# Altium PCB Slave.PcbDoc (part 12 of 12)
Units mm, origin at the board's own origin, x right, y up, seen from the top; angles counter-clockwise.
Board outline 380 x 63 mm, 4 copper layers (Top Copper, Signal Layer 1, Signal Layer 2, Bottom Copper), stack 1.586 mm thick; 265 components, 193 nets, 745 pads, 28205 vias.
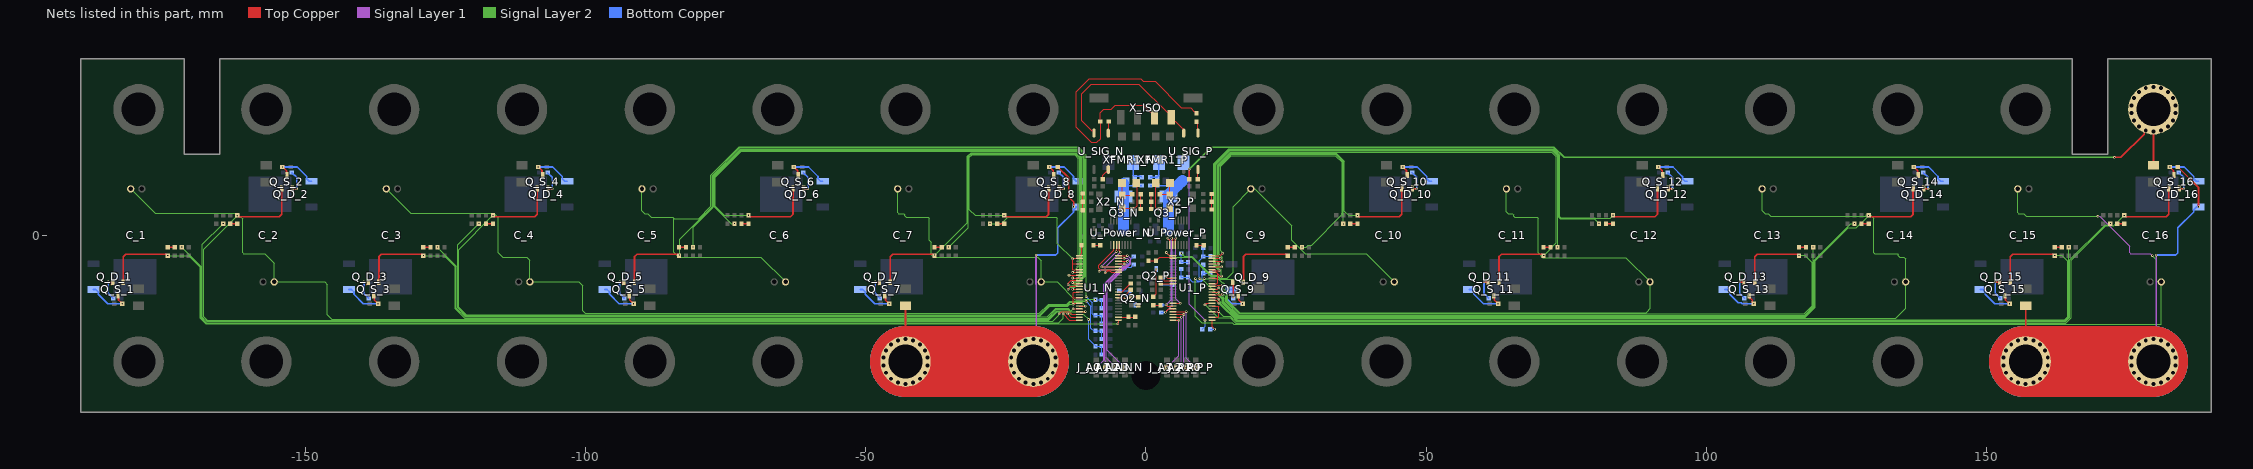
[diagram p14: the nets of this part, all layers, seen from the top]

## Via types
v1: diameter 0.45, hole 0.297, Top Copper to Bottom Copper, tented both sides, 27372 vias
v2: diameter 1, hole 0.7, Top Copper to Bottom Copper, 576 vias
v3: diameter 0.45, hole 0.2, Top Copper to Bottom Copper, 257 vias

## Nets (pads, with @x,y where several pads share a name; then routed paths per layer and width w, separated by ;. In a path a pad name is that pad's centre, name@x,y a point inside that pad or via, vN(x,y) a via of type N, cw(c..) or ccw(c..) an arc to the next point about the centre after c; other vN are vias at no path point) (continued)
NEG8_C1: C_7.+ C_8.- F_V_7.1 Q_D_8.3 R_TUNE_8.1 | length 143.3
  Top Copper w0.305: C_7.+@-42.9,-22.5 F_V_7.1@-42.9,-12.545 ; R_TUNE_8.1@-15.725,12.2 -13.8,10.275 -13.8,6.85 -12.9,5.95 v3(-12.9,5.1)
  Top Copper w12.7: C_7.+@-42.9,-22.5 C_8.-@-20.1,-22.5
  Signal Layer 1 w0.102: C_8.-@-20.1,-22.5 -19.625,-22.025 C_8.-@-20.1,-22.5
  Signal Layer 1 w0.305: v3(-19.6,-3.5) -19.604,-3.504 -19.604,-8.674 -19.6,-8.678 C_8.-@-19.6,-22 ; C_8.-@-19.6,-22 -19.625,-22.025 C_8.-@-19.6,-22
  Signal Layer 1 w12.7: C_7.+@-42.9,-22.5 C_8.-@-20.1,-22.5
  Signal Layer 2 w12.7: C_7.+@-42.9,-22.5 C_8.-@-20.1,-22.5
  Bottom Copper w0.305: v3(-19.6,-3.5) -16.102,-3.5 -15.748,-3.146 -15.748,1.352 -12.918,4.182 -12.918,4.602 -12.471,5.05 Q_D_8.3@-12.05,5.05
  Bottom Copper w12.7: C_7.+@-42.9,-22.5 C_8.-@-20.1,-22.5
  other v2: -42.9,-26.5 -20.1,-26.5 -44.268,-26.259 -41.532,-26.259 -21.468,-26.259 -18.732,-26.259 -45.471,-25.564 -40.329,-25.564 -22.671,-25.564 -17.529,-25.564 -46.364,-24.5 -39.436,-24.5 -23.564,-24.5 -16.636,-24.5 -46.839,-23.195 -38.961,-23.195 -24.039,-23.195 -16.161,-23.195 -46.839,-21.805 -38.961,-21.805 -24.039,-21.805 -16.161,-21.805 -46.364,-20.5 -39.436,-20.5 -23.564,-20.5 -16.636,-20.5 -45.471,-19.436 -40.329,-19.436 -22.671,-19.436 -17.529,-19.436 -44.268,-18.741 -41.532,-18.741 -21.468,-18.741 -18.732,-18.741 -42.9,-18.5 -20.1,-18.5
NEG8_C2: C_15.+ C_16.- F_V_15.1 Q_D_16.3 R_TUNE_16.1 | length 146
  Top Copper w0.102: C_16.-@178.2,-21 C_16.-@179.7,-22.5
  Top Copper w0.305: C_15.+@156.9,-22.5 F_V_15.1@156.9,-12.545 F_V_15.1@156.9,-12.35 ; R_TUNE_16.1@184.075,12.2 187.75,8.525 v3(187.75,5.1)
  Top Copper w12.7: C_15.+@156.749,-22.5 C_16.-@179.549,-22.5
  Signal Layer 1 w0.102: C_16.-@179.549,-22.5 C_16.-@180.024,-22.025 ; C_16.-@179.7,-22.5 C_16.-@180.175,-22.025
  Signal Layer 1 w0.305: C_16.-@180.024,-22.025 C_16.-@180.049,-22 ; C_16.-@180.175,-22.025 180.2,-22 180.2,-8.678 180.196,-8.674 180.196,-3.504 v3(180.2,-3.5)
  Signal Layer 1 w12.7: C_15.+@156.749,-22.5 C_16.-@179.549,-22.5
  Signal Layer 2 w12.7: C_15.+@156.749,-22.5 C_16.-@179.549,-22.5
  Bottom Copper w0.305: v3(180.2,-3.5) 183.698,-3.5 184.052,-3.146 184.052,1.352 186.882,4.182 186.882,4.602 187.329,5.05 Q_D_16.3@187.75,5.05
  Bottom Copper w12.7: C_15.+@156.749,-22.5 C_16.-@179.549,-22.5
  other v2: 156.9,-26.5 179.7,-26.5 155.532,-26.259 158.268,-26.259 178.332,-26.259 181.068,-26.259 154.329,-25.564 159.471,-25.564 177.129,-25.564 182.271,-25.564 153.436,-24.5 160.364,-24.5 176.236,-24.5 183.164,-24.5 152.961,-23.195 160.839,-23.195 175.761,-23.195 183.639,-23.195 152.961,-21.805 160.839,-21.805 175.761,-21.805 183.639,-21.805 153.436,-20.5 160.364,-20.5 176.236,-20.5 183.164,-20.5 154.329,-19.436 159.471,-19.436 177.129,-19.436 182.271,-19.436 155.532,-18.741 158.268,-18.741 178.332,-18.741 181.068,-18.741 156.9,-18.5 179.7,-18.5
NetC1_N_1: C1_N.1 Q3_N.2 Q3_N.4 R1_N.1 R8_N.1 | length 11.6
  Bottom Copper w0.254: C1_N.1@-4,9.25 -3.65,8.9 R8_N.1@-2,8.9 R1_N.1@-0.75,8.9
  Bottom Copper w2: Q3_N.2@-4,1.075 Q3_N.4@-4,6.925 C1_N.1@-4,9.25
NetC1_P_1: C1_P.1 Q3_P.2 Q3_P.4 R1_P.1 R8_P.1 | length 14.6
  Bottom Copper w0.254: R1_P.1@0.75,8.9 R8_P.1@2,8.9 5.65,8.9
  Bottom Copper w2: Q3_P.2@4,1.075 Q3_P.4@4,6.925 4,7.25 5.65,8.9 C1_P.1@6.5,9.75
NetC_IPMA1_N_2: C_IPMA1_N.2 R_IMA1_N.1 R_IPA1_N.1 | length 2.6
  Top Copper w0.102: R_IPA1_N.1@-0.95,4.7 C_IPMA1_N.2@-0.95,6 R_IMA1_N.1@-0.95,7.35
NetC_IPMA1_P_2: C_IPMA1_P.2 R_IMA1_P.1 R_IPA1_P.1 | length 2.6
  Top Copper w0.102: R_IMA1_P.1@0.95,4.7 C_IPMA1_P.2@0.95,6 R_IPA1_P.1@0.95,7.35
NetC_IPMA_N_2: C_IPMA_N.2 R_IMA_N.1 R_IPA_N.1 | length 3
  Top Copper w0.102: R_IPA_N.1@-11.25,4.5 C_IPMA_N.2@-11.25,6 R_IMA_N.1@-11.25,7.5
NetC_IPMA_P_2: C_IPMA_P.2 R_IMA_P.1 R_IPA_P.1 | length 2.8
  Top Copper w0.102: R_IMA_P.1@11.7,4.6 C_IPMA_P.2@11.7,6 R_IPA_P.1@11.7,7.4
NetC_V1_N_2: C_V1_N.2 R_Input1_N.1 U1_N.26 | length 3
  Top Copper w0.102: U1_N.26@-4.9,-14.6 -3.1,-14.6 -1.95,-14.6 R_Input1_N.1@-1.9,-14.65
NetC_V1_P_2: C_V1_P.2 R_Input1_P.1 U1_P.26 | length 4.8
  Top Copper w0.102: R_Input1_P.1@0.42,-4.56 1.79,-4.56 C_V1_P.2@1.81,-4.54 1.81,-4.515 2.134,-4.191 2.159,-4.191 2.473,-3.877 4.577,-3.877 U1_P.26@4.8,-4.1
NetD1_N_A: D1_N.A R1_N.2 R8_N.2 | length 3.9
  Bottom Copper w0.254: D1_N.A@-2.29,13 -2.246,12.956 -2.246,10.746 -2.007,10.507 -0.857,10.507 R1_N.2@-0.75,10.4
NetD1_P_A: D1_P.A R1_P.2 R8_P.2 | length 4
  Bottom Copper w0.254: R1_P.2@0.75,10.4 R8_P.2@2,10.4 2,10.425 2.29,10.715 D1_P.A@2.29,13
NetJ_A0_N_3: J_A0_N.3 U1_N.45 | length 21.6
  Top Copper w0.102: U1_N.45@-4.9,-5.1 -3.934,-5.1 -3.9,-5.066 v3(-3.9,-5.1)
  Signal Layer 1 w0.102: v3(-8.9,-23.6) -7.525,-22.225 -7.525,-8.725 v3(-3.9,-5.1)
NetJ_A0_P_3: J_A0_P.3 U1_P.45 | length 13
  Top Copper w0.102: U1_P.45@4.8,-13.6 v3(7.19,-13.6)
  Signal Layer 1 w0.102: v3(7.19,-13.6) 7.19,-21.9 v3(8.84,-23.55)
NetJ_A1_N_3: J_A1_N.3 U1_N.46 | length 22.4
  Top Copper w0.102: U1_N.46@-4.9,-4.6 v3@-3.323,-4.6
  Signal Layer 1 w0.102: v3(-7.15,-23.55) -7.15,-22.481 -7.322,-22.309 -7.322,-8.822 -3.977,-5.477 -3.744,-5.477 -3.323,-5.056 v3(-3.323,-4.623)
NetJ_A1_P_3: J_A1_P.3 U1_P.46 | length 11.6
  Top Copper w0.102: U1_P.46@4.8,-14.1 6.76,-14.1 v3(6.77,-14.11)
  Signal Layer 1 w0.102: v3(6.77,-14.11) 6.77,-23.17 v3(7.15,-23.55)
NetJ_A2_N_3: J_A2_N.3 U1_N.47 | length 23.8
  Top Copper w0.102: U1_N.47@-4.9,-4.1 v3(-3.9,-4.1)
  Signal Layer 1 w0.102: v3(-5.4,-23.55) -7.119,-21.831 -7.119,-8.906 -3.893,-5.681 -3.647,-5.681 -2.92,-4.954 -2.92,-4.491 -3.311,-4.1 v3(-3.9,-4.1)
NetJ_A2_P_3: J_A2_P.3 U1_P.47 | length 10.9
  Top Copper w0.102: U1_P.47@4.8,-14.6 v3(6.32,-14.6)
  Signal Layer 1 w0.102: v3(5.4,-23.55) 6.32,-22.63 v3(6.32,-14.6)
NetJ_A3_N_3: J_A3_N.3 U1_N.48 | length 25
  Top Copper w0.102: U1_N.48@-4.9,-3.6 v3(-3.323,-3.6)
  Signal Layer 1 w0.102: v3@-3.72,-23.42 -3.98,-23.42 -6.915,-20.485 -6.915,-8.99 -3.809,-5.884 -3.563,-5.884 -2.717,-5.038 -2.717,-4.162 -3.279,-3.6 v3(-3.323,-3.6)
  other v3: -3.8,-23.5
NetJ_A3_P_3: J_A3_P.3 U1_P.48 | length 10.4
  Top Copper w0.102: U1_P.48@4.8,-15.1 v3(5.87,-15.1)
  Signal Layer 1 w0.102: v3(3.76,-23.55) 5.87,-21.44 v3(5.87,-15.1)
NetLED_5V_N_K: LED_5V_N.K R_5V_N.2 | length 1.2
  Top Copper w0.102: LED_5V_N.K@-9.39,-1.75 R_5V_N.2@-8.162,-1.75
NetLED_5V_P_K: LED_5V_P.K R_5V_P.2 | length 1.3
  Top Copper w0.102: LED_5V_P.K@9.02,-1.75 R_5V_P.2@10.296,-1.75
NetLED_D_1_A: LED_D_1.A R_D_LED_1.1 | length 1.3
  Top Copper w0.305: LED_D_1.A@-174.5,-2.1 R_D_LED_1.1@-173.25,-2.1
NetLED_D_2_A: LED_D_2.A R_D_LED_2.1 | length 1.3
  Top Copper w0.305: R_D_LED_2.1@-163.35,2.1 LED_D_2.A@-162.1,2.1
NetLED_D_3_A: LED_D_3.A R_D_LED_3.1 | length 1.3
  Top Copper w0.305: LED_D_3.A@-128.9,-2.1 R_D_LED_3.1@-127.65,-2.1
NetLED_D_4_A: LED_D_4.A R_D_LED_4.1 | length 1.3
  Top Copper w0.305: R_D_LED_4.1@-117.75,2.1 LED_D_4.A@-116.5,2.1
NetLED_D_5_A: LED_D_5.A R_D_LED_5.1 | length 1.3
  Top Copper w0.305: LED_D_5.A@-83.3,-2.1 R_D_LED_5.1@-82.05,-2.1
NetLED_D_6_A: LED_D_6.A R_D_LED_6.1 | length 1.3
  Top Copper w0.305: R_D_LED_6.1@-72.15,2.1 LED_D_6.A@-70.9,2.1
NetLED_D_7_A: LED_D_7.A R_D_LED_7.1 | length 1.3
  Top Copper w0.305: LED_D_7.A@-37.7,-2.1 R_D_LED_7.1@-36.45,-2.1
NetLED_D_8_A: LED_D_8.A R_D_LED_8.1 | length 1.3
  Top Copper w0.305: R_D_LED_8.1@-26.55,2.1 LED_D_8.A@-25.3,2.1
NetLED_D_9_A: LED_D_9.A R_D_LED_9.1 | length 1.3
  Top Copper w0.305: LED_D_9.A@25.3,-2.1 R_D_LED_9.1@26.55,-2.1
NetLED_D_10_A: LED_D_10.A R_D_LED_10.1 | length 1.3
  Top Copper w0.305: R_D_LED_10.1@36.45,2.1 LED_D_10.A@37.7,2.1
NetLED_D_11_A: LED_D_11.A R_D_LED_11.1 | length 1.3
  Top Copper w0.305: LED_D_11.A@70.9,-2.1 R_D_LED_11.1@72.15,-2.1
NetLED_D_12_A: LED_D_12.A R_D_LED_12.1 | length 1.3
  Top Copper w0.305: R_D_LED_12.1@82.05,2.1 LED_D_12.A@83.3,2.1
NetLED_D_13_A: LED_D_13.A R_D_LED_13.1 | length 1.3
  Top Copper w0.305: LED_D_13.A@116.5,-2.1 R_D_LED_13.1@117.75,-2.1
NetLED_D_14_A: LED_D_14.A R_D_LED_14.1 | length 1.3
  Top Copper w0.305: R_D_LED_14.1@127.65,2.1 LED_D_14.A@128.9,2.1
NetLED_D_15_A: LED_D_15.A R_D_LED_15.1 | length 1.3
  Top Copper w0.305: LED_D_15.A@162.1,-2.1 R_D_LED_15.1@163.35,-2.1
NetLED_D_16_A: LED_D_16.A R_D_LED_16.1 | length 1.3
  Top Copper w0.305: R_D_LED_16.1@173.25,2.1 LED_D_16.A@174.5,2.1
NetLED_DEBUG_N_K: LED_DEBUG_N.K R_DEBUG_N.2 | length 1.3
  Top Copper w0.102: LED_DEBUG_N.K@-2.7,-10.95 -1.45,-10.95 R_DEBUG_N.2@-1.4,-11
NetLED_DEBUG_P_K: LED_DEBUG_P.K R_DEBUG_P.2 | length 1.3
  Top Copper w0.102: R_DEBUG_P.2@1.3,-12.45 LED_DEBUG_P.K@2.6,-12.45
NetPTC_1_1: PTC_1.1 Q_S_1.2 | length 4.6
  Top Copper w0.102: Q_S_1.2@-184.574,-8.768 -184.325,-8.519 Q_S_1.2@-184.325,-8.375
  Top Copper w0.305: v3(-185.1,-8.3) -184.4,-8.3 Q_S_1.2@-184.325,-8.375
  Bottom Copper w0.305: v3(-185.1,-8.3) -185.1,-10.35 PTC_1.1@-184.25,-11.2
NetPTC_2_1: PTC_2.1 Q_S_2.2 | length 4.6
  Top Copper w0.102: Q_S_2.2@-152.275,8.375 -152.275,8.519 Q_S_2.2@-152.026,8.768
  Top Copper w0.305: Q_S_2.2@-152.275,8.375 -152.2,8.3 v3(-151.5,8.3)
  Bottom Copper w0.305: PTC_2.1@-152.35,11.2 -151.5,10.35 v3(-151.5,8.3)
NetPTC_3_1: PTC_3.1 Q_S_3.2 | length 4.6
  Top Copper w0.102: Q_S_3.2@-138.974,-8.768 -138.725,-8.519 Q_S_3.2@-138.725,-8.375
  Top Copper w0.305: v3(-139.5,-8.3) -138.8,-8.3 Q_S_3.2@-138.725,-8.375
  Bottom Copper w0.305: v3(-139.5,-8.3) -139.5,-10.35 PTC_3.1@-138.65,-11.2
NetPTC_4_1: PTC_4.1 Q_S_4.2 | length 4.6
  Top Copper w0.102: Q_S_4.2@-106.675,8.375 -106.675,8.519 Q_S_4.2@-106.426,8.768
  Top Copper w0.305: Q_S_4.2@-106.675,8.375 -106.6,8.3 v3(-105.9,8.3)
  Bottom Copper w0.305: PTC_4.1@-106.75,11.2 -105.9,10.35 v3(-105.9,8.3)
NetPTC_5_1: PTC_5.1 Q_S_5.2 | length 4.6
  Top Copper w0.102: Q_S_5.2@-93.374,-8.768 -93.125,-8.519 Q_S_5.2@-93.125,-8.375
  Top Copper w0.305: v3(-93.9,-8.3) -93.2,-8.3 Q_S_5.2@-93.125,-8.375
  Bottom Copper w0.305: v3(-93.9,-8.3) -93.9,-10.35 PTC_5.1@-93.05,-11.2
NetPTC_6_1: PTC_6.1 Q_S_6.2 | length 4.6
  Top Copper w0.102: Q_S_6.2@-61.075,8.375 -61.075,8.519 Q_S_6.2@-60.826,8.768
  Top Copper w0.305: Q_S_6.2@-61.075,8.375 -61,8.3 v3(-60.3,8.3)
  Bottom Copper w0.305: PTC_6.1@-61.15,11.2 -60.3,10.35 v3(-60.3,8.3)
NetPTC_7_1: PTC_7.1 Q_S_7.2 | length 4.6
  Top Copper w0.102: Q_S_7.2@-47.774,-8.768 -47.525,-8.519 Q_S_7.2@-47.525,-8.375
  Top Copper w0.305: v3(-48.3,-8.3) -47.6,-8.3 Q_S_7.2@-47.525,-8.375
  Bottom Copper w0.305: v3(-48.3,-8.3) -48.3,-10.35 PTC_7.1@-47.45,-11.2
NetPTC_8_1: PTC_8.1 Q_S_8.2 | length 4.6
  Top Copper w0.102: Q_S_8.2@-15.475,8.375 -15.475,8.519 Q_S_8.2@-15.226,8.768
  Top Copper w0.305: Q_S_8.2@-15.475,8.375 -15.4,8.3 v3(-14.7,8.3)
  Bottom Copper w0.305: PTC_8.1@-15.55,11.2 -14.7,10.35 v3(-14.7,8.3)
NetPTC_9_1: PTC_9.1 Q_S_9.2 | length 3.6
  Top Copper w0.102: Q_S_9.2@15.226,-8.768 15.475,-8.519 Q_S_9.2@15.475,-8.375
  Top Copper w0.305: Q_S_9.2@15.475,-8.375 15.55,-8.45 v3(15.55,-11)
  Bottom Copper w0.305: PTC_9.1@15.55,-11.2 15.35,-11 v3(15.55,-11)
NetPTC_10_1: PTC_10.1 Q_S_10.2 | length 4.6
  Top Copper w0.102: Q_S_10.2@47.525,8.375 47.525,8.519 Q_S_10.2@47.774,8.768
  Top Copper w0.305: Q_S_10.2@47.525,8.375 47.6,8.3 v3(48.3,8.3)
  Bottom Copper w0.305: PTC_10.1@47.45,11.2 48.3,10.35 v3(48.3,8.3)
NetPTC_11_1: PTC_11.1 Q_S_11.2 | length 4.6
  Top Copper w0.102: Q_S_11.2@60.826,-8.768 61.075,-8.519 Q_S_11.2@61.075,-8.375
  Top Copper w0.305: v3(60.3,-8.3) 61,-8.3 Q_S_11.2@61.075,-8.375
  Bottom Copper w0.305: v3(60.3,-8.3) 60.3,-10.35 PTC_11.1@61.15,-11.2
NetPTC_12_1: PTC_12.1 Q_S_12.2 | length 4.6
  Top Copper w0.102: Q_S_12.2@93.125,8.375 93.125,8.519 Q_S_12.2@93.374,8.768
  Top Copper w0.305: Q_S_12.2@93.125,8.375 93.2,8.3 v3(93.9,8.3)
  Bottom Copper w0.305: PTC_12.1@93.05,11.2 93.9,10.35 v3(93.9,8.3)
NetPTC_13_1: PTC_13.1 Q_S_13.2 | length 4.6
  Top Copper w0.102: Q_S_13.2@106.426,-8.768 106.675,-8.519 Q_S_13.2@106.675,-8.375
  Top Copper w0.305: v3(105.9,-8.3) 106.6,-8.3 Q_S_13.2@106.675,-8.375
  Bottom Copper w0.305: v3(105.9,-8.3) 105.9,-10.35 PTC_13.1@106.75,-11.2
NetPTC_14_1: PTC_14.1 Q_S_14.2 | length 4.6
  Top Copper w0.102: Q_S_14.2@138.725,8.375 138.725,8.519 Q_S_14.2@138.974,8.768
  Top Copper w0.305: Q_S_14.2@138.725,8.375 138.8,8.3 v3(139.5,8.3)
  Bottom Copper w0.305: PTC_14.1@138.65,11.2 139.5,10.35 v3(139.5,8.3)
NetPTC_15_1: PTC_15.1 Q_S_15.2 | length 4.6
  Top Copper w0.102: Q_S_15.2@152.026,-8.768 152.275,-8.519 Q_S_15.2@152.275,-8.375
  Top Copper w0.305: v3(151.5,-8.3) 152.2,-8.3 Q_S_15.2@152.275,-8.375
  Bottom Copper w0.305: v3(151.5,-8.3) 151.5,-10.35 PTC_15.1@152.35,-11.2
NetPTC_16_1: PTC_16.1 Q_S_16.2 | length 4.6
  Top Copper w0.102: Q_S_16.2@184.325,8.375 184.325,8.519 Q_S_16.2@184.574,8.768
  Top Copper w0.305: Q_S_16.2@184.325,8.375 184.4,8.3 v3(185.1,8.3)
  Bottom Copper w0.305: PTC_16.1@184.25,11.2 185.1,10.35 v3(185.1,8.3)
NetQ2_N_1: Q2_N.1 R_DEBUG_PD_N.2 U1_N.33 | length 4.6
  Top Copper w0.102: U1_N.33@-4.9,-11.1 v3(-3.7,-11.1)
  Bottom Copper w0.102: R_DEBUG_PD_N.2@-4.765,-9.867 -2.983,-9.867 Q2_N.1@-2.85,-10 -2.85,-10.25 v3(-3.7,-11.1)
NetQ2_N_3: Q2_N.3 R_DEBUG_N.1 | length 0.4
  Top Copper w0.102: v3(-1.8,-12.4) -1.7,-12.5 R_DEBUG_N.1@-1.4,-12.5
NetQ2_P_1: Q2_P.1 R_DEBUG_PD_P.2 U1_P.33 | length 4.9
  Top Copper w0.102: v3(3.6,-7.35) 3.85,-7.6 U1_P.33@4.8,-7.6
  Bottom Copper w0.102: v3(3.6,-7.35) 2.999,-7.951 2.75,-8.2 Q2_P.1@2.75,-8.4 2.75,-8.522 2.999,-8.771 R_DEBUG_PD_P.2@4.75,-8.771
NetQ2_P_3: Q2_P.3 R_DEBUG_P.1 | length 5.2
  Top Copper w0.102: R_DEBUG_P.1@1.3,-10.95 1.3,-10.925 1.624,-10.601 1.649,-10.601 1.8,-10.45 v3(1.8,-6)
NetQ_D_1_1: Q_D_1.1 Q_S_1.3 R_TUNE_1.2 | length 8.2
  Top Copper w0.102: Q_S_1.3@-183.375,-10.919 Q_S_1.3@-183.375,-10.775
  Top Copper w0.305: Q_S_1.3@-183.375,-10.919 -183.282,-11.012 -183.282,-11.518 v3(-182.6,-12.2)
  Bottom Copper w0.305: Q_D_1.1@-187.75,-9.65 -187.329,-9.65 -186.882,-10.098 -186.882,-10.518 -185.2,-12.2 v3(-182.6,-12.2)
NetQ_D_2_1: Q_D_2.1 Q_S_2.3 R_TUNE_2.2 | length 8.2
  Top Copper w0.102: R_TUNE_2.2@-153.676,12.524 R_TUNE_2.2@-153.676,12.549 ; Q_S_2.3@-153.225,10.775 Q_S_2.3@-153.225,10.919
  Top Copper w0.305: v3(-154,12.2) -153.318,11.518 -153.318,11.012 Q_S_2.3@-153.225,10.919
  Bottom Copper w0.305: v3(-154,12.2) -151.4,12.2 -149.718,10.518 -149.718,10.098 -149.271,9.65 Q_D_2.1@-148.85,9.65
NetQ_D_3_1: Q_D_3.1 Q_S_3.3 R_TUNE_3.2 | length 8.2
  Top Copper w0.102: Q_S_3.3@-137.775,-10.919 Q_S_3.3@-137.775,-10.775
  Top Copper w0.305: Q_S_3.3@-137.775,-10.919 -137.682,-11.012 -137.682,-11.518 v3(-137,-12.2)
  Bottom Copper w0.305: Q_D_3.1@-142.15,-9.65 -141.729,-9.65 -141.282,-10.098 -141.282,-10.518 -139.6,-12.2 v3(-137,-12.2)
NetQ_D_4_1: Q_D_4.1 Q_S_4.3 R_TUNE_4.2 | length 8.2
  Top Copper w0.102: R_TUNE_4.2@-108.076,12.524 R_TUNE_4.2@-108.076,12.549 ; Q_S_4.3@-107.625,10.775 Q_S_4.3@-107.625,10.919
  Top Copper w0.305: v3(-108.4,12.2) -107.718,11.518 -107.718,11.012 Q_S_4.3@-107.625,10.919
  Bottom Copper w0.305: v3(-108.4,12.2) -105.8,12.2 -104.118,10.518 -104.118,10.098 -103.671,9.65 Q_D_4.1@-103.25,9.65
NetQ_D_5_1: Q_D_5.1 Q_S_5.3 R_TUNE_5.2 | length 8.2
  Top Copper w0.102: Q_S_5.3@-92.175,-10.919 Q_S_5.3@-92.175,-10.775
  Top Copper w0.305: Q_S_5.3@-92.175,-10.919 -92.082,-11.012 -92.082,-11.518 v3(-91.4,-12.2)
  Bottom Copper w0.305: Q_D_5.1@-96.55,-9.65 -96.129,-9.65 -95.682,-10.098 -95.682,-10.518 -94,-12.2 v3(-91.4,-12.2)
NetQ_D_6_1: Q_D_6.1 Q_S_6.3 R_TUNE_6.2 | length 8.2
  Top Copper w0.102: R_TUNE_6.2@-62.476,12.524 R_TUNE_6.2@-62.476,12.549 ; Q_S_6.3@-62.025,10.775 Q_S_6.3@-62.025,10.919
  Top Copper w0.305: v3(-62.8,12.2) -62.118,11.518 -62.118,11.012 Q_S_6.3@-62.025,10.919
  Bottom Copper w0.305: v3(-62.8,12.2) -60.2,12.2 -58.518,10.518 -58.518,10.098 -58.071,9.65 Q_D_6.1@-57.65,9.65
NetQ_D_7_1: Q_D_7.1 Q_S_7.3 R_TUNE_7.2 | length 8.2
  Top Copper w0.102: Q_S_7.3@-46.575,-10.919 Q_S_7.3@-46.575,-10.775
  Top Copper w0.305: Q_S_7.3@-46.575,-10.919 -46.482,-11.012 -46.482,-11.518 v3(-45.8,-12.2)
  Bottom Copper w0.305: Q_D_7.1@-50.95,-9.65 -50.529,-9.65 -50.082,-10.098 -50.082,-10.518 -48.4,-12.2 v3(-45.8,-12.2)
NetQ_D_8_1: Q_D_8.1 Q_S_8.3 R_TUNE_8.2 | length 8.2
  Top Copper w0.102: R_TUNE_8.2@-16.876,12.524 R_TUNE_8.2@-16.876,12.549 ; Q_S_8.3@-16.425,10.775 Q_S_8.3@-16.425,10.919
  Top Copper w0.305: v3(-17.2,12.2) -16.518,11.518 -16.518,11.012 Q_S_8.3@-16.425,10.919
  Bottom Copper w0.305: v3(-17.2,12.2) -14.6,12.2 -12.918,10.518 -12.918,10.098 -12.471,9.65 Q_D_8.1@-12.05,9.65
NetQ_D_9_1: Q_D_9.1 Q_S_9.3 R_TUNE_9.2 | length 7.1
  Top Copper w0.102: Q_S_9.3@16.425,-10.919 Q_S_9.3@16.425,-10.775
  Top Copper w0.305: Q_S_9.3@16.425,-10.919 16.518,-11.012 16.518,-11.518 R_TUNE_9.2@17.2,-12.2
  Bottom Copper w0.305: Q_D_9.1@15.25,-9.65 14.85,-9.65 14.5,-10 14.5,-11.4 15.3,-12.2 v3(17.225,-12.2)
NetQ_D_10_1: Q_D_10.1 Q_S_10.3 R_TUNE_10.2 | length 8.2
  Top Copper w0.102: R_TUNE_10.2@46.124,12.524 R_TUNE_10.2@46.124,12.549 ; Q_S_10.3@46.575,10.775 Q_S_10.3@46.575,10.919
  Top Copper w0.305: v3(45.8,12.2) 46.482,11.518 46.482,11.012 Q_S_10.3@46.575,10.919
  Bottom Copper w0.305: v3(45.8,12.2) 48.4,12.2 50.082,10.518 50.082,10.098 50.529,9.65 Q_D_10.1@50.95,9.65
NetQ_D_11_1: Q_D_11.1 Q_S_11.3 R_TUNE_11.2 | length 8.2
  Top Copper w0.102: Q_S_11.3@62.025,-10.919 Q_S_11.3@62.025,-10.775
  Top Copper w0.305: Q_S_11.3@62.025,-10.919 62.118,-11.012 62.118,-11.518 v3(62.8,-12.2)
  Bottom Copper w0.305: Q_D_11.1@57.65,-9.65 58.071,-9.65 58.518,-10.098 58.518,-10.518 60.2,-12.2 v3(62.8,-12.2)
NetQ_D_12_1: Q_D_12.1 Q_S_12.3 R_TUNE_12.2 | length 8.2
  Top Copper w0.102: R_TUNE_12.2@91.724,12.524 R_TUNE_12.2@91.724,12.549 ; Q_S_12.3@92.175,10.775 Q_S_12.3@92.175,10.919
  Top Copper w0.305: v3(91.4,12.2) 92.082,11.518 92.082,11.012 Q_S_12.3@92.175,10.919
  Bottom Copper w0.305: v3(91.4,12.2) 94,12.2 95.682,10.518 95.682,10.098 96.129,9.65 Q_D_12.1@96.55,9.65
NetQ_D_13_1: Q_D_13.1 Q_S_13.3 R_TUNE_13.2 | length 8.3
  Top Copper w0.102: Q_S_13.3@107.625,-10.919 Q_S_13.3@107.625,-10.775
  Top Copper w0.305: Q_S_13.3@107.625,-10.919 107.718,-11.012 107.718,-11.242 107.85,-11.242 108.131,-11.523 108.131,-11.919 108.125,-11.925 v3(108.4,-12.2)
  Bottom Copper w0.305: Q_D_13.1@103.25,-9.65 103.671,-9.65 104.118,-10.098 104.118,-10.518 105.621,-12.021 106.198,-12.021 106.377,-12.2 v3(108.4,-12.2)
NetQ_D_14_1: Q_D_14.1 Q_S_14.3 R_TUNE_14.2 | length 8.2
  Top Copper w0.102: R_TUNE_14.2@137.324,12.524 R_TUNE_14.2@137.324,12.549 ; Q_S_14.3@137.775,10.775 Q_S_14.3@137.775,10.919
  Top Copper w0.305: v3(137,12.2) 137.682,11.518 137.682,11.012 Q_S_14.3@137.775,10.919
  Bottom Copper w0.305: v3(137,12.2) 139.6,12.2 141.282,10.518 141.282,10.098 141.729,9.65 Q_D_14.1@142.15,9.65
NetQ_D_15_1: Q_D_15.1 Q_S_15.3 R_TUNE_15.2 | length 8.2
  Top Copper w0.102: Q_S_15.3@153.225,-10.919 Q_S_15.3@153.225,-10.775
  Top Copper w0.305: Q_S_15.3@153.225,-10.919 153.318,-11.012 153.318,-11.518 v3(154,-12.2)
  Bottom Copper w0.305: Q_D_15.1@148.85,-9.65 149.271,-9.65 149.718,-10.098 149.718,-10.518 151.4,-12.2 v3(154,-12.2)
NetQ_D_16_1: Q_D_16.1 Q_S_16.3 R_TUNE_16.2 | length 8.2
  Top Copper w0.102: R_TUNE_16.2@182.924,12.524 R_TUNE_16.2@182.924,12.549 ; Q_S_16.3@183.375,10.775 Q_S_16.3@183.375,10.919
  Top Copper w0.305: v3(182.6,12.2) 183.282,11.518 183.282,11.012 Q_S_16.3@183.375,10.919
  Bottom Copper w0.305: v3(182.6,12.2) 185.2,12.2 186.882,10.518 186.882,10.098 187.329,9.65 Q_D_16.1@187.75,9.65
NetR9_N_2: R9_N.2 U_SIG_N.1 | length 2.1
  Top Copper w0.102: U_SIG_N.1@-6.73,18.25 -6.65,18.33 R9_N.2@-6.65,20.342
NetR9_P_2: R9_P.2 U_SIG_P.1 | length 2.1
  Top Copper w0.102: R9_P.2@9,20.25 9.27,19.98 U_SIG_P.1@9.27,18.25
NetR10_N_1: R10_N.1 U_SIG_N.6 | length 2.3
  Top Copper w0.102: R10_N.1@-7.75,10 -7.75,10.73 -7.123,11.357 -6.96,11.357 -6.73,11.587 U_SIG_N.6@-6.73,11.75
NetR10_P_1: R10_P.1 U_SIG_P.6 | length 1.8
  Top Copper w0.102: R10_P.1@9.25,10 9.25,11.73 U_SIG_P.6@9.27,11.75
NetR_IMA1_N_2: R_IMA1_N.2 X2_N.3 XFMR1_N.3 | length 4.2
  Top Copper w0.102: XFMR1_N.3@-4.27,9.375 -4.27,7.145 X2_N.3@-4.25,7.125 -2.675,7.125 R_IMA1_N.2@-2.45,7.35
NetR_IMA1_P_2: R_IMA1_P.2 X2_P.3 XFMR1_P.3 | length 7.2
  Top Copper w0.102: XFMR1_P.3@1.73,9.375 1.73,4.891 1.921,4.7 R_IMA1_P.2@2.45,4.7 4.075,4.7 X2_P.3@4.25,4.875
NetR_Input2_N_1: R_Input2_N.1 U1_N.1 | length 2.1
  Top Copper w0.102: U1_N.1@-11.9,-3.6 -11.751,-3.6 -11.682,-3.531 -11.682,-3.382 -11.5,-3.2 R_Input2_N.1@-11.5,-1.75
NetR_Input2_P_1: R_Input2_P.1 U1_P.1 | length 2.6
  Top Copper w0.102: U1_P.1@11.8,-15.1 11.8,-16.3 v3(12.25,-16.75)
  Bottom Copper w0.102: R_Input2_P.1@11.5,-16.75 v3(12.25,-16.75)
NetR_IPA1_N_2: R_IPA1_N.2 X2_N.2 XFMR1_N.4 | length 7.1
  Top Copper w0.102: X2_N.2@-4.25,4.875 -2.625,4.875 R_IPA1_N.2@-2.45,4.7 -2.126,5.024 -1.859,5.024 -1.604,5.279 -1.604,9.249 XFMR1_N.4@-1.73,9.375
NetR_IPA1_P_2: R_IPA1_P.2 X2_P.2 XFMR1_P.4 | length 4.2
  Top Copper w0.102: R_IPA1_P.2@2.45,7.35 4.025,7.35 X2_P.2@4.25,7.125 4.25,9.355 XFMR1_P.4@4.27,9.375
POS8_C2: C_16.+ D1_P.K F_V_16.1 R10_P.2 R_Input2_P.2 | length 221.4
  Top Copper w0.102: v3(10.525,-15.1) v3@10.584,-15.1
  Top Copper w0.254: v3(7.7,11.8) 7.7,11.747 7.75,11.697 R10_P.2@7.75,10 ; v3(172.731,13.9) 173.866,13.9 178.027,18.06 178.027,20.827 C_16.+@179.7,22.5
  Top Copper w0.305: F_V_16.1@179.7,12.545 C_16.+@179.7,22.5
  Signal Layer 1 w0.102: v3(7.7,11.8) 7.7,-12.275 v3(10.525,-15.1)
  Signal Layer 2 w0.102: v3(10.525,-15.1) v3@10.534,-15.109
  Signal Layer 2 w0.254: v3(7.7,11.8) 11.65,15.75 72.77,15.75 74.62,13.9 v3(172.731,13.9)
  Bottom Copper w0.102: R_Input2_P.2@10,-16.75 10.025,-16.75 10.349,-16.426 10.349,-16.401 10.525,-16.225 v3(10.525,-15.1)
  other v2: 179.7,18.5 178.332,18.741 181.068,18.741 177.129,19.436 182.271,19.436 176.236,20.5 183.164,20.5 175.761,21.805 183.639,21.805 175.761,23.195 183.639,23.195 176.236,24.5 183.164,24.5 177.129,25.564 182.271,25.564 178.332,26.259 181.068,26.259 179.7,26.5